# Altium PCB KeyBoard.PcbDoc
Units mm, origin at the board's own origin, x right, y up, seen from the top; angles counter-clockwise.
Board outline 62 x 96.32 mm, 2 copper layers (Top Layer, Bottom Layer), stack 1.569 mm thick; 71 components, 76 nets, 333 pads, 242 vias.
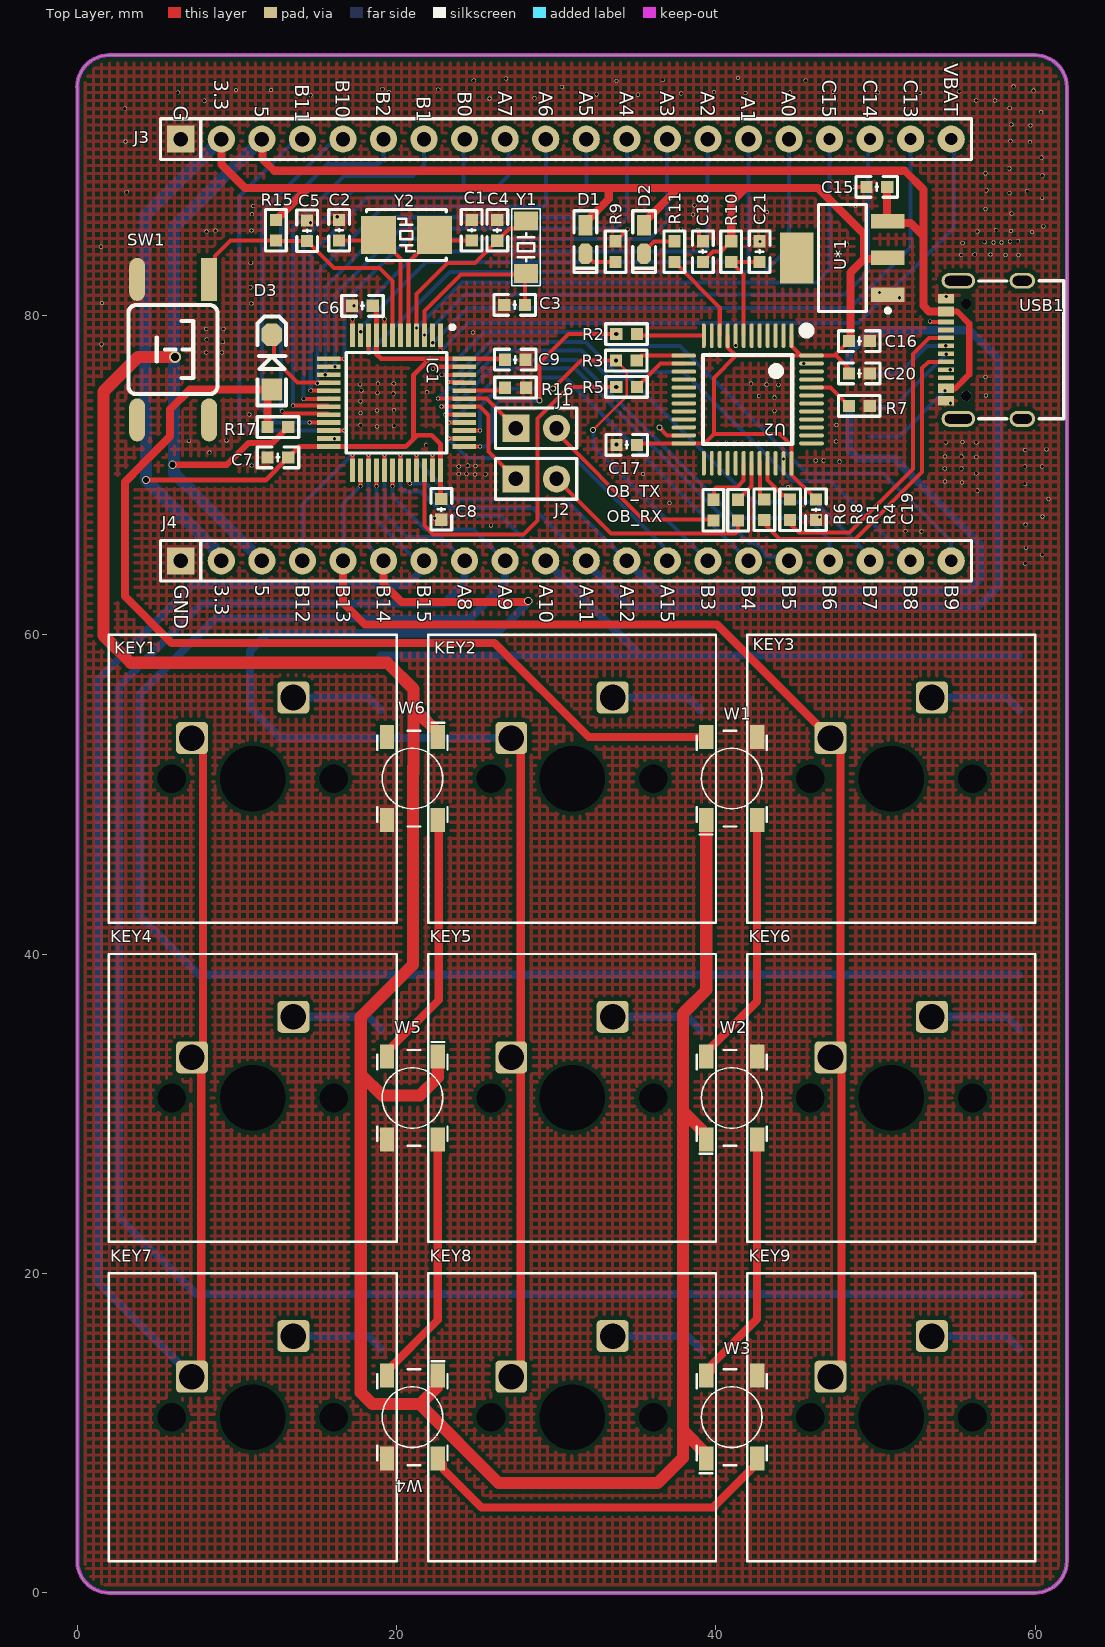
[diagram p0: Top Layer view]
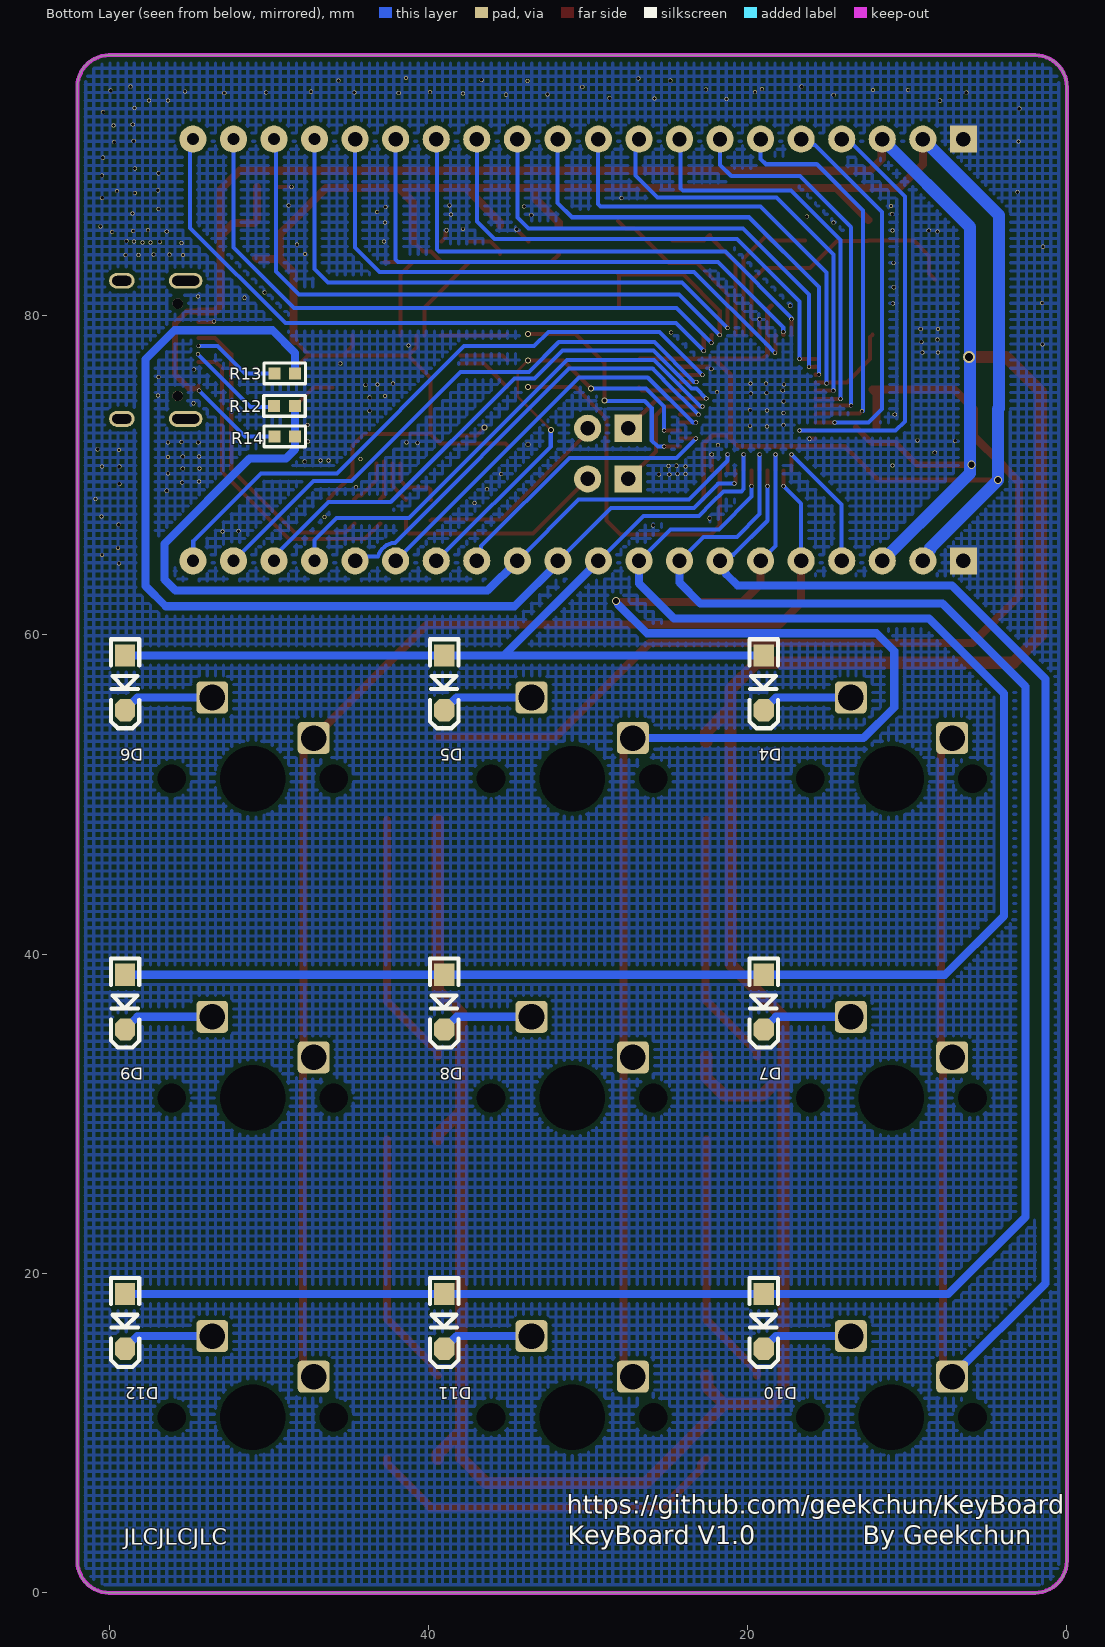
[diagram p1: Bottom Layer view, seen from below]

## Layer stack, top to bottom
Top Solder: solder mask 0.0254, SM-001, Dk 4
Top Layer: signal copper 0.035
Dielectric 1: core 1.4986, Core-043, Dk 4.3
Bottom Layer: signal copper 0.035
Bottom Solder: solder mask 0.0254, SM-001, Dk 4

## Board outline
0.001,2 0.001,94.317 0,94.317 cw(c2,94.317) 2,96.317 60,96.317 cw(c60,94.317) 62,94.317 62,2 cw(c60,2) 60,0 2,0 cw(c2,2)

## Design rules (kind name [scope] priority, off if disabled: settings)
Clearance [All] p1: gap=0.254 ignorepadtopadclearanceinfootprint=TRUE except(0.152: Arc-Arc Arc-Track Arc-SMDPad Arc-THPad Arc-Via Arc-Text Arc-Hole Track-Track Track-SMDPad Track-THPad Track-Via Track-Text Track-Hole SMDPad-SMDPad SMDPad-THPad SMDPad-Via SMDPad-Text SMDPad-Hole THPad-THPad THPad-Via THPad-Text THPad-Hole Via-Via Via-Text Via-Hole Text-Text Text-Hole)
PolygonConnect [All] p1: connectstyle=Direct reliefconductorwidth=0.254 reliefentries=4 polygonreliefangle="90 Angle" airgapwidth=0.254
RoutingVias [All] p1: holewidth=0.203 width=0.254 viastyle="Through Hole" minholewidth=0.152 minwidth=0.254 maxholewidth=0.711 maxwidth=1.27
SolderMaskExpansion [All] p1: expansion=0.102 istentingtop=FALSE
Width [All] p1: maxlimit=1.27 minlimit=0.152 preferedwidth=0.254 minimp=50.000000 maximp=50.000000 favimp=50.000000
30 further rules are at their usual default settings.

## Classes and differential pairs
component class STM32F103C8T6: C1 C2 C3 C4 C5 C6 C7 C8 C9 IC1 J3 J4 R15 R16 SW1 Y1 Y2
component class Key&Led: D3 D4 D5 D6 D7 D8 D9 D10 D11 D12 KEY1 KEY2 KEY3 KEY4 KEY5 KEY6 KEY7 KEY8 KEY9 R17 W1 W2 W3 W4 W5 W6
component class "Jlink OB": C15 C16 C17 C18 C19 C20 C21 D1 D2 J1 J2 R1 R2 R3 R4 R5 R6 R7 R8 R9 R10 R11 R12 R13 R14 U2 U*1 USB1

## Components (designator, comment, footprint, x,y, rotation, side; value= is the part's Value field where it differs from the comment)
C1 "12pF" "C 0603_L" 24.714,85.35 r90 top value=1.2pF
C2 "12pF" "C 0603_L" 16.408,85.35 r90 top value=1.2pF
C3 "12pF" "C 0603_L" 27.407,80.67 r180 top value=1.2pF
C4 "12pF" "C 0603_L" 26.314,85.344 r90 top value=1.2pF
C5 "105" "C 0603_L" 14.402,85.319 r270 top value=1.2pF
C6 "104" "C 0603_L" 17.867,80.62 r0 top value=1.2pF
C7 "104" "C 0603_L" 12.573,71.12 r0 top value=1.2pF
C8 "104" "C 0603_L" 22.809,67.869 r90 top value=1.2pF
C9 "104" "C 0603_L" 27.442,77.241 r180 top value=1.2pF
C15 "0.1uf" "C 0603_L" 50.089,88.062 r0 top value=1.2pF
C16 "1uf" "C 0603_L" 48.997,78.41 r180 top value=1.2pF
C17 "0.1uf" "C 0603_L" 34.427,71.907 r0 top value=1.2pF
C18 "0.1uf" "C 0603_L" 39.192,84.008 r270 top value=1.2pF
C19 "0.1uf" "C 0603_L" 46.279,67.843 r90 top value=1.2pF
C20 "0.1uf" "C 0603_L" 48.997,76.378 r180 top value=1.2pF
C21 "0.1uf" "C 0603_L" 42.748,84.008 r270 top value=1.2pF
D1 "LED_0603" "LED 0603B" 31.826,84.766 r270 top
D2 "LED_0603" "LED 0603B" 35.503,84.766 r270 top
D3 "1n4148" SOD-123 12.192,77.089 r90 top
D4 "1n4148" SOD-123 19,57 r270 bottom
D5 "1n4148" SOD-123 39,57 r270 bottom
D6 "1n4148" SOD-123 59,57 r270 bottom
D7 "1n4148" SOD-123 19,37 r270 bottom
D8 "1n4148" SOD-123 39,37 r270 bottom
D9 "1n4148" SOD-123 59,37 r270 bottom
D10 "1n4148" SOD-123 19,17 r270 bottom
D11 "1n4148" SOD-123 39,17 r270 bottom
D12 "1n4148" SOD-123 59,17 r270 bottom
IC1 "STM32F103C8T6" QFP50P900X900X160-48N 20,74.549 r270 top
J1 "USART JUMPER" HDR2.54-LI-2P 28.753,72.949 r0 top
J2 "USART JUMPER" HDR2.54-LI-2P 28.753,69.774 r0 top
J3 "CON20" HDR2.54-LI-20P 30.619,91.059 r0 top
J4 "CON20" HDR2.54-LI-20P 30.619,64.643 r0 top
KEY1 "CHERRY_MX" CHERRYMX 11,51 r0 top
KEY2 "CHERRY_MX" CHERRYMX 31,51 r0 top
KEY3 "CHERRY_MX" CHERRYMX 51,51 r0 top
KEY4 "CHERRY_MX" CHERRYMX 11,31 r0 top
KEY5 "CHERRY_MX" CHERRYMX 31,31 r0 top
KEY6 "CHERRY_MX" CHERRYMX 51,31 r0 top
KEY7 "CHERRY_MX" CHERRYMX 11,11 r0 top
KEY8 "CHERRY_MX" CHERRYMX 31,11 r0 top
KEY9 "CHERRY_MX" CHERRYMX 51,11 r0 top
R1 "22R" "R 0603_L" 43.04,67.843 r90 top
R2 "100R" "R 0603_L" 34.417,78.842 r0 top
R3 "100R" "R 0603_L" 34.402,77.191 r0 top
R4 "22R" "R 0603_L" 44.66,67.843 r90 top
R5 "100R" "R 0603_L" 34.417,75.54 r0 top
R6 "100R" "R 0603_L" 39.853,67.818 r90 top
R7 "10K" "R 0603_L" 48.997,74.346 r0 top
R8 "100R" "R 0603_L" 41.402,67.818 r90 top
R9 "1K" "R 0603_L" 33.731,84.008 r270 top
R10 "10K" "R 0603_L" 40.97,84.008 r90 top
R11 "1K" "R 0603_L" 37.414,84.008 r90 top
R12 "22R" "R 0603_L" 49.012,74.346 r0 bottom
R13 "22R" "R 0603_L" 48.997,76.378 r0 bottom
R14 "22R" "R 0603_L" 48.997,72.441 r0 bottom
R15 "10K" "R 0603_L" 12.446,85.35 r90 top
R16 "100K" "R 0603_L" 27.457,75.489 r0 top
R17 "10K" "R 0603_L" 12.573,73.025 r180 top
SW1 "Reset" "TSW SMD-6*6*5" 6,77.876 r270 top value="PB SW"
U2 "STM32F072CxT" "LQFP48 7X7_L" 42,74.75 r180 top value=Value
U*1 "ASM1117-3.3V" SOT223_L 47.93,83.617 r180 top
USB1 "Type-C" "usb typec" 58,77.876 r0 top
W1 "WS2812b" DIOC500500X250_NR 41,51 r90 top
W2 "WS2812b" DIOC500500X250_NR 41,31 r90 top
W3 "WS2812b" DIOC500500X250_NR 41,11 r90 top
W4 "WS2812b" DIOC500500X250_NR 21,11 r270 top
W5 "WS2812b" DIOC500500X250_NR 21,31 r270 top
W6 "WS2812b" DIOC500500X250_NR 21,51 r270 top
Y1 "32.768khz" "OSC 3215-2P" 28.118,84.288 r270 top
Y2 "8mhz" "OSC 5032-2P" 20.625,85.05 r0 top

## Footprints (in the part's own frame and the unit in brackets; to place one, negate y for a bottom-side part, rotate by r counter-clockwise, add the part's x,y. Pads: shape width x height; smd on the part's side, far side on the other; paste and mask are expansions set on the pad)
"C 0603_L" [mil] "无极性贴片电容"
  rect 30x30 smd: 1(-25.59,0) 2(25.59,0)
  silkscreen extent -51,-26 51,26, body extent -31,-16 31,16, height 32
CHERRYMX [mm]
  rrect25% 0x0 hole 1.8: 0(-5.08,0) 0(5.08,0)
  rrect25% 0x0 hole 4.1: 0(0,0)
  rrect25% 2x2 hole 1.6: 1(-3.81,2.54) 2(2.54,5.08)
  silkscreen extent -9.02,-9.02 9.02,9.02, body extent -9,-8.98 9,9.02, height 23.25
DIOC500500X250_NR [mm] "WS2812B PLCC 4, Body 5.0x5.0x.2.5mm, IPC Medium Density"
  rect 1.5x0.9 smd: 1(-2.6,1.59) 2(-2.6,-1.59) 3(2.6,-1.59) 4(2.6,1.59)
  silkscreen extent -3.5,-2.2 3,2.2, body extent -2.67,-2.48 2.68,2.47, height 1.7
HDR2.54-LI-2P [mm] "排针，2脚"
  rect 1.7x1.7 hole 0.9: 1(-1.27,0)
  round 1.7 hole 0.9: 2(1.27,0)
  silkscreen extent -2.54,-1.27 2.54,1.27, body extent -2.54,-1.27 2.54,1.27, height 8.5
HDR2.54-LI-20P [mm] "排针，20脚"
  rect 1.7x1.7 hole 0.9: 1(-24.13,0)
  round 1.7 hole 0.9: 2(-21.59,0) 3(-19.05,0) 4(-16.51,0) 5(-13.97,0) 6(-11.43,0) 7(-8.89,0) 8(-6.35,0) 9(-3.81,0) 10(-1.27,0) 11(1.27,0) 12(3.81,0) 13(6.35,0) 14(8.89,0) 15(11.43,0) 16(13.97,0)
  round 1.7 hole 0.762: 17(16.51,0) 18(19.05,0) 19(21.59,0) 20(24.13,0)
  silkscreen extent -25.4,-1.27 25.4,1.27, body extent -25.4,-1.27 25.4,1.27, height 8.5
"LED 0603B" [mil] "蓝色0603LED"
  rect 50x35 smd: 1(-35,0.26)
  oct 50x35 smd: 2(35,0.26)
  silkscreen extent -71,-28 81,28, body extent -31,-16 32,16, height 24
"LQFP48 7X7_L" [mm] "48脚，体宽7x7mm，脚距0.5mm"
  oval 0.25x1.55 smd: 1(-2.75,-4) 2(-2.25,-4) 3(-1.75,-4) 4(-1.25,-4) 5(-0.75,-4) 6(-0.25,-4) 7(0.25,-4) 8(0.75,-4) 9(1.25,-4) 10(1.75,-4) 11(2.25,-4) 12(2.75,-4) 25(2.75,4) 26(2.25,4) 27(1.75,4) 28(1.25,4) 29(0.75,4) 30(0.25,4) 31(-0.25,4) 32(-0.75,4) 33(-1.25,4) 34(-1.75,4) 35(-2.25,4) 36(-2.75,4)
  oval 1.55x0.25 smd: 13(4,-2.75) 14(4,-2.25) 15(4,-1.75) 16(4,-1.25) 17(4,-0.75) 18(4,-0.25) 19(4,0.25) 20(4,0.75) 21(4,1.25) 22(4,1.75) 23(4,2.25) 24(4,2.75) 37(-4,2.75) 38(-4,2.25) 39(-4,1.75) 40(-4,1.25) 41(-4,0.75) 42(-4,0.25) 43(-4,-0.25) 44(-4,-0.75) 45(-4,-1.25) 46(-4,-1.75) 47(-4,-2.25) 48(-4,-2.75)
  silkscreen extent -3.93,-4.57 2.79,2.79, body extent -4.5,-4.5 4.5,4.5, height 1.45
"OSC 3215-2P" [mm] "3.2*1.5*0.6mm(长宽高)"
  rect 1.2x1.5 smd: 1(-1.65,0) 2(1.65,0)
  silkscreen extent -2.41,-0.89 2.41,0.89, body extent -1.6,-0.75 1.6,0.75, height 0.61
"OSC 5032-2P" [mm] "5mm*3.2mm*0.8mm(长*宽*高)"
  rect 2.2x2.4 smd: 1(-1.75,0) 2(1.75,0)
  silkscreen extent -2.5,-1.6 2.5,1.6, body extent -2.5,-1.6 2.5,1.6, height 0.86
QFP50P900X900X160-48N [mm]
  rect 1.475x0.3 smd: 1(-4.238,2.75) 2(-4.238,2.25) 3(-4.238,1.75) 4(-4.238,1.25) 5(-4.238,0.75) 6(-4.238,0.25) 7(-4.238,-0.25) 8(-4.238,-0.75) 9(-4.238,-1.25) 10(-4.238,-1.75) 11(-4.238,-2.25) 12(-4.238,-2.75) 25(4.238,-2.75) 26(4.238,-2.25) 27(4.238,-1.75) 28(4.238,-1.25) 29(4.238,-0.75) 30(4.238,-0.25) 31(4.238,0.25) 32(4.238,0.75) 33(4.238,1.25) 34(4.238,1.75) 35(4.238,2.25) 36(4.238,2.75)
  rect 0.3x1.475 smd: 13(-2.75,-4.238) 14(-2.25,-4.238) 15(-1.75,-4.238) 16(-1.25,-4.238) 17(-0.75,-4.238) 18(-0.25,-4.238) 19(0.25,-4.238) 20(0.75,-4.238) 21(1.25,-4.238) 22(1.75,-4.238) 23(2.25,-4.238) 24(2.75,-4.238) 37(2.75,4.238) 38(2.25,4.238) 39(1.75,4.238) 40(1.25,4.238) 41(0.75,4.238) 42(0.25,4.238) 43(-0.25,4.238) 44(-0.75,4.238) 45(-1.25,4.238) 46(-1.75,4.238) 47(-2.25,4.238) 48(-2.75,4.238)
  silkscreen extent -4.85,-3.15 3.15,3.62, body extent -4.5,-4.5 4.5,4.5, height 1.6
"R 0603_L" [mil] "1/10W贴片电阻"
  rect 30x30 smd: 1(-25.59,0) 2(25.59,0)
  silkscreen extent -51,-26 51,26, body extent -31,-16 32,16, height 16
SOD-123 [mil] "2.7x1.6X1.1mm（长宽高，不包括引脚）"
  rect 55x50 smd: 1(-67.5,0)
  oct 55x50 smd: 2(67.5,0)
  silkscreen extent -108,-35 112,35, body extent -73,-31 73,31, height 48
SOT223_L [mm] "SOT223, 4-Leads, Body 6.5x3.5mm, Pitch 2.3mm, Lead Span 7mm, IPC High Density"
  rect 2.1x0.9 smd: 1(-2.85,2.3) 2(-2.85,0) 3(-2.85,-2.3)
  rect 2.1x3.2 smd: 4(2.85,0)
  silkscreen extent -2.98,-3.35 1.5,3.42, body extent -1.85,-3.35 1.85,3.35, height 1.7
"TSW SMD-6*6*5" [mm] "6*6*5mm"
  rect 2.7x1 smd: 1(-4.4,2.261)
  oval 2.7x1 smd: 2(-4.4,-2.239) 3(4.4,-2.239) 4(4.4,2.261)
  silkscreen extent -2.79,-2.79 2.79,2.79, body extent -4.5,-3 4.5,3, height 4.95
"usb typec" [mm]
  round 0.65 hole 0.65: 0(-2.299,-2.905) 0(-2.299,2.875)
  oval 1.6x1 hole 0.6 slot 1.2 at 0 deg: 1(1.201,4.31) 2(1.201,-4.34)
  oval 2.1x1 hole 0.6 slot 1.7 at 0 deg: 3(-2.799,-4.34) 4(-2.799,4.31)
  rect 1x0.3 smd: A1(-3.589,-3.365) A4(-3.589,-2.565) A5(-3.589,-1.265) A6(-3.589,-0.265) A7(-3.589,0.235) A8(-3.589,1.235) A9(-3.589,2.535) A12(-3.589,3.335) B1(-3.589,3.035) B4(-3.589,2.235) B5(-3.589,1.735) B6(-3.589,0.735) B7(-3.589,-0.765) B8(-3.589,-1.765) B9(-3.589,-2.265) B12(-3.589,-3.065)
  silkscreen extent -1.54,-4.34 3.8,4.31

## Part data
C1 C2 C3 C4 C5 C6 C7 C8 C9 C15 C16 C17 C18 C19 C20 C21: "Capacitor, NP0, ?.1pF", Part Number=C0402-1.2p, Artikkelnr Noca=20029157, Artikkelnr Simpro=N.A., Footprint Doc=0402, LatestRevisionDate=2011-05-11, Note=50V, Pin Count=2, Published=2009-05-08, Publisher="Nordic Semiconductor"
D1 D2: "LED"
D3 D4 D5 D6 D7 D8 D9 D10 D11 D12: library part ZENER3, "Zener Diode"
IC1: "Integrated Circuit", Manufacturer_Name=STMicroelectronics, Mouser Part Number=511-STM32F103C8T6, Arrow Part Number=STM32F103C8T6, Arrow Price/Stock=https://www.arrow.com/en/products/stm32f103c8t6/stmicroelectronics, Datasheet Link=http://www.st.com/st-web-ui/static/active/en/resource/technical/document/datasheet/CD00161566.pdf, Height=1.6mm, Manufacturer_Part_Number=STM32F103C8T6, Mouser Price/Stock=https://www.mouser.co.uk/ProductDetail/STMicroelectronics/STM32F103C8T6?qs=bhCVus9SdFtq6kqxsU5%2FDA%3D%3D
J1 J2: library part CON2, "Connector"
J3 J4: "Connector"
R1 R2 R3 R4 R5 R6 R7 R8 R9 R10 R11 R12 R13 R14 R15 R16 R17: library part RES
SW1: "Tactile Switch, SPNO, SMD, 160gf, 6.2x6.3x2.5mm", 2nd source part number=688-SKHUALE010, Manufacturer=Dailywell, Manufacturer Part Number=TS604VM1-025BR-R, Part Number=Switch-PB-6.2x6.3mm-SMD, 2nd source Supplier=Mouser, Artikkelnr Noca=50019106, Artikkelnr Simpro=N.A., Datasheet=\\hizz\pro\app9717\Datasheet\switches\Daliywell\TS604VM1-025BR-R.pdf, Footprint Doc=Switch-PB-6.2x6.3mm-SMD, LatestRevisionDate=2016-04-21, Pin Count=4, Published=2010-02-01, Publisher="Nordic Semiconductor", Supplier=Cabcon, Supplier part number=TS604VM1-025BR-R
U2: "Imported", Manufacturer_Part_Number=stm32f072cxt, C="Copyright (C) 2016 Accelerated Designs. All rights reserved", Copyright="Copyright (C) 2016 Accelerated Designs. All rights reserved", RefDes=RefDes, Type=Type, Vendor=STMicroelectronics
U*1: "三端可调或固定电压3.3V"
W1 W2 W3 W4 W5 W6: library part WS2812b_Sumasta, "The Infamous Chinese Chainable RGB LED"
Y1 Y2: library part XTAL, XTAL=12MHZ

## Via types
v1: diameter 0.254, hole 0.203, Top Layer to Bottom Layer, 230 vias
v2: diameter 0.381, hole 0.254, Top Layer to Bottom Layer, 7 vias
v3: diameter 0.508, hole 0.381, Top Layer to Bottom Layer, 3 vias
v4: diameter 0.305, hole 0.254, Top Layer to Bottom Layer, 1 vias
v5: diameter 0.762, hole 0.508, Top Layer to Bottom Layer, 1 vias

## Nets (pads, with @x,y where several pads share a name; then routed paths per layer and width w, separated by ;. In a path a pad name is that pad's centre, name@x,y a point inside that pad or via, vN(x,y) a via of type N, cw(c..) or ccw(c..) an arc to the next point about the centre after c; other vN are vias at no path point)
3.3V: C6.2 C7.2 C8.2 C9.2 C16.2 C17.2 C18.2 C19.2 C20.2 D1.1 D2.1 IC1.9 IC1.24 IC1.36 IC1.48 J3.2 J4.2 R10.2 R15.2 U2.1 U2.9 U2.24 U2.36 U2.48 U*1.2 | length 169.6
  Top Layer w0.254: C17.2 35.17,72 U2.24 38.002,71.998 39.283,71.998 39.878,72.593 ; C18.2 39.842,84.008 40.32,84.008 R10.2 ; U2.9 40.752,78.747 40.752,78.018 41.274,77.496 ; U2.1 44.75,78.103 45.352,77.502 U2.48@45.354,77.5 ; C19.2 46.025,68.747 46.025,68.758 44.752,70.031 44.752,70.748 U2.36 44.75,71.861 44.018,72.593 39.878,72.593 ; C20.2@48.11,76.614 C20.2 ; C16.2 48.093,78.156 47.437,77.5 ; C20.2@48.45,76.594 47.544,77.5 47.437,77.5 ; 39.878,72.593 39.878,76.1 41.274,77.496 ; 41.274,77.496 41.278,77.5 U2.48@45.354,77.5 ; U2.48@45.354,77.5 U2.48 47.437,77.5
  Top Layer w0.305: v3(4.31,69.7) 11.803,69.7 C7.2 13.902,71.799 IC1.24 20.584,71.799 21.077,72.292 ; C6.2 18.75,80.386 IC1.9 18.75,77.592 19.043,77.299 22.09,77.299 ; 22.102,77.311 22.09,77.299 ; C8.2 22.75,68.578 IC1.36 22.748,70.313 22.748,71.969 22.205,72.512 21.297,72.512 21.077,72.292 ; C9.2 26.735,77.299 IC1.48 22.09,77.299 ; 21.077,72.292 21.077,76.286 22.09,77.299
  Top Layer w0.508: J3.2 9.029,89.472 10.516,87.986 14.432,87.986 ; R15.2 14.417,87.971 14.432,87.986 ; D1.1 31.833,85.845 33.299,87.312 33.299,87.986 ; D2.1 35.509,85.845 37.65,87.986 ; R10.2 40.97,87.097 41.859,87.986 ; C16.2 48.44,78.503 48.44,82.705 49.285,83.55 ; U*1.2 50.713,83.55 49.285,83.55 ; 14.432,87.986 33.299,87.986 ; 33.299,87.986 37.65,87.986 ; 37.65,87.986 41.859,87.986 ; 41.859,87.986 46.406,87.986 49.285,85.106 49.285,83.55
  Bottom Layer w0.762: J4.2 9.029,64.897 8.56,65.366 8.56,65.451 v3(4.31,69.7) 4.31,74.15 4.257,74.204 4.257,86.287 J3.2
5V: C15.2 J3.3 J4.3 R14.2 R17.1 U*1.3 USB1.A4 USB1.A9 USB1.B4 USB1.B9 W1.1 W2.1 W3.1 W4.1 W5.1 W6.1 | length 277.1
  Top Layer w0.254: U*1.3@50.739,85.958 U*1.3 U*1.3@50.895,85.801 ; USB1.A4 USB1.A4@54.411,75.438 ; USB1.B9 USB1.A4@54.411,75.438 ; USB1.B4 54.411,80.261 ; USB1.A4@54.686,75.438 USB1.A4@54.411,75.438
  Top Layer w0.381: v3(5.979,70.66) 9.368,70.66 10.726,72.019 12.217,72.019 R17.1 ; 54.561,80.261 55.121,80.261 55.88,79.502 55.88,76.327 54.991,75.438 USB1.A4@54.686,75.438
  Top Layer w0.508: J3.3 11.598,91.03 11.598,89.824 12.344,89.078 51.841,89.078 53.01,87.909 53.01,84.988 ; U*1.3@50.739,85.958 C15.2 ; U*1.3@50.895,85.801 52.197,85.801 53.01,84.988 ; 54.411,80.261 53.369,80.261 53.01,80.62 53.01,84.988
  Top Layer w0.762: v5(6.132,77.414) 3.807,77.414 1.643,75.25 1.643,59.972 3.36,58.255 19.431,58.255 21.069,56.617 21.069,55.197 ; 21.036,51.746 21.036,39.337 17.765,36.065 17.765,32.487 ; 21.069,51.366 21.069,55.197 ; W4.1 22.521,13.531 22.521,12.859 21.468,11.806 ; W5.1 22.59,32.27 21.466,31.145 19.106,31.145 17.765,32.487 ; W6.1@22.59,53.3 W6.1 22.59,53.9 21.293,55.197 21.069,55.197 ; W3.1 39.41,8.7 37.943,10.167 ; W2.1 39.41,28.7 37.943,30.167 ; W1.1 39.41,37.749 37.943,36.281 37.943,30.167 ; 17.765,32.487 17.765,12.545 18.486,11.824 21.45,11.824 21.468,11.806 ; 21.468,11.806 26.406,6.868 36.358,6.868 37.943,8.453 37.943,10.167 ; 37.943,10.167 37.943,30.167
  Bottom Layer w0.254: R14.2 51.497,72.441 v1(54.359,75.303)
  Bottom Layer w0.762: J4.3 7.048,69.164 7.038,69.164 6.073,70.129 6.073,85.557 11.569,91.053 J3.3
BOOT0: IC1.44 R16.1 | length 2.6
  Top Layer w0.254: IC1.44 26.618,75.299 R16.1
GND: C1.2 C2.2 C3.2 C4.2 C5.1 C6.1 C7.1 C8.1 C9.1 C15.1 C16.1 C17.1 C18.1 C19.1 C20.1 C21.1 IC1.8 IC1.23 IC1.35 IC1.47 J3.1 J4.1 R7.2 R9.1 R16.2 SW1.2 U2.8 U2.23 U2.35 U2.47 U*1.1 USB1.A1 USB1.A5 USB1.A12 USB1.B1 USB1.B5 USB1.B12 W1.3 W2.3 W3.3 W4.3 W5.3 W6.3 | length 9.9
  Top Layer w0.254: IC1.23 15.77,72.291 v1(16.12,72.291) ; IC1.8 v1(19.25,79.778) ; IC1.35 v1(22.25,71.302) ; v1(22.281,76.671) 22.409,76.799 IC1.47 IC1.47@24.221,76.782 ; R9.1 34.47,85.398 v1(34.47,85.407) ; v2(36.474,72.984) 36.957,72.502 37.998,72.502 U2.23 ; v1(38.872,85.349) 38.938,85.283 38.938,84.912 C18.1 ; v1(48.572,88.069) 49.431,88.069 C15.1 ; v1(53.424,79.647) 53.46,79.611 USB1.B5
  other v1: 59.381,64.484 60.45,65.018 59.437,65.457 52.901,66.476 51.89,66.501 25.916,66.864 59.399,66.91 22.381,67.309 46.505,67.38 60.471,67.425 37.107,68.269 60.852,68.513 56.389,69.031 36.335,69.133 44.534,69.257 59.361,69.468 55.421,69.549 54.362,69.605 24.912,70.046 25.565,70.061 23.901,70.076 35.441,70.085 24.39,70.095 56.317,70.126 55.385,70.413 54.344,70.431 59.361,70.54 23.901,70.551 60.45,70.557 24.468,70.597 24.958,70.582 10.93,70.613 47.75,70.855 46.264,70.926 46.759,70.926 44.252,71.017 56.317,71.147 54.362,71.182 55.385,71.165 8.281,71.416 59.381,71.589 60.717,71.627 21.862,71.886 40.681,72.036 41.377,72.066 54.415,72.064 56.317,72.064 55.456,72.082 47.544,72.112 7.001,72.158 9.36,72.191 18.781,73.057 19.858,73.098 17.76,73.141 47.567,73.151 10.785,73.804 17.745,73.91 18.781,74.053 43.678,74.04 19.841,74.078 54.707,74.515 17.745,74.637 43.678,74.863 42.718,74.964 56.935,75 19.802,75.112 18.809,75.168 21.913,75.208 17.801,75.323 43.93,75.668 17.717,75.698 43.191,75.686 18.85,75.742 19.83,75.754 42.215,75.737 56.894,76.158 54.692,76.618 45.515,77.009 8.08,77.687 9.058,77.687 41.253,78.137 1.525,78.205 9.124,78.36 8.113,78.498 24.788,78.95 8.08,79.171 9.157,79.171 17.335,80.622 10.909,80.757 1.55,80.794 51.512,81.121 54.437,81.199 50.257,81.452 10.848,81.78 10.871,83.312 55.375,83.806 58.154,83.806 58.962,83.806 56.223,83.819 57.209,83.832 47.732,83.867 1.499,84.317 48.225,84.444 55.472,84.558 57.399,84.586 57.907,84.586 56.825,84.627 58.441,84.639 42.774,84.647 58.921,84.667 59.81,85.236 8.101,85.259 56.389,85.269 8.657,85.325 58.494,85.31 10.925,85.331 57.565,85.353 37.829,85.437 60.539,85.594 14.618,85.825 42.716,85.841 16.292,86.199 33.558,86.297 38.583,86.333 10.95,86.357 58.538,86.397 43.209,86.486 56.892,86.676 42.698,86.808 33.998,86.841 11.027,86.874 48.753,86.895 38.672,86.913 27.892,87.365 60.435,87.38 58.388,87.687 3.104,87.738 59.511,87.799 56.948,87.855 60.455,88.769 56.892,88.922 58.388,89.221 60.394,89.892 59.681,90.87 3.028,90.905 58.456,90.931 59.721,91.911 58.517,91.972 60.374,92.749 2.985,92.968 58.416,93.013 7.963,93.461 56.313,93.483 57.496,93.483 21.333,93.568 25.835,93.595 28.647,93.623 14.608,93.809 35.131,93.837 32.533,93.862 37.836,93.918 41.855,93.943 52.787,93.943 6.302,93.97 44.641,93.971 50.16,93.971 19.538,93.997 39.899,93.997 47.349,94.025 55.251,94.055 59.904,94.095 9.947,94.131 12.142,94.131 22.619,94.157 19.109,94.185 30.361,94.319 16.617,94.345 58.66,94.342 33.791,94.694 24.842,94.721 45.634,94.721 36.686,94.774 26.851,94.855 41.4,94.881
  other v4: 33.771,71.936
LED: R11.1 U2.10 | length 5.8
  Top Layer w0.254: R11.1 40.25,80.523 U2.10
NetD1_2: D1.2 R9.2 | length 2.1
  Top Layer w0.254: D1.2 31.833,83.834 32.308,83.358 R9.2
NetD2_2: D2.2 R11.2 | length 2.3
  Top Layer w0.254: D2.2 35.509,84.044 36.124,84.658 R11.2
NetD3_1: D3.1 R17.2 W1.4 | length 62.3
  Top Layer w0.508: 4.054,70.668 5.819,72.433 5.819,74.135 7.059,75.374 D3.1 11.923,75.106 R17.2 ; 4.063,70.659 2.995,69.591 2.995,62.42 5.911,59.505 26.142,59.505 32.046,53.6 W1.4
NetD4_2: D4.2 KEY1.2 | length 5.8
  Bottom Layer w0.508: KEY1.2 18.24,56.08 19,55.32 D4.2
NetD5_2: D5.2 KEY2.2 | length 5.8
  Bottom Layer w0.508: KEY2.2 38.24,56.08 39,55.32 D5.2
NetD6_2: D6.2 KEY3.2 | length 5.8
  Bottom Layer w0.508: KEY3.2 58.24,56.08 59,55.32 D6.2
NetD7_2: D7.2 KEY4.2 | length 5.8
  Bottom Layer w0.508: KEY4.2 18.24,36.08 19,35.32 D7.2
NetD8_2: D8.2 KEY5.2 | length 5.8
  Bottom Layer w0.508: KEY5.2 38.24,36.08 39,35.32 D8.2
NetD9_2: D9.2 KEY6.2 | length 5.8
  Bottom Layer w0.508: KEY6.2 58.24,36.08 59,35.32 D9.2
NetD10_2: D10.2 KEY7.2 | length 5.8
  Bottom Layer w0.508: KEY7.2 18.24,16.08 19,15.32 D10.2
NetD11_2: D11.2 KEY8.2 | length 5.8
  Bottom Layer w0.508: KEY8.2 38.24,16.08 39,15.32 D11.2
NetD12_2: D12.2 KEY9.2 | length 5.8
  Bottom Layer w0.508: KEY9.2 58.24,16.08 59,15.32 D12.2
NetR1_1: R1.1 USB1.B7 | length 20.2
  Top Layer w0.254: R1.1@43.015,66.99 43.991,66.015 48.743,66.015 52.934,70.206 52.934,76.708 53.336,77.111 USB1.B7
NetR2_2: R2.2 U2.12 | length 4.2
  Top Layer w0.254: R2.2 35.159,78.749 U2.12
NetR3_2: R3.2 U2.13 | length 3.1
  Top Layer w0.254: R3.2 35.306,77.444 35.361,77.5 U2.13
NetR4_1: R4.1 USB1.B6 | length 19.3
  Top Layer w0.254: R4.1@44.634,66.99 45.203,66.421 48.387,66.421 52.349,70.383 52.349,77.597 53.363,78.611 USB1.B6
NetR5_2: R5.2 U2.14 | length 3.5
  Top Layer w0.254: R5.2 35.905,76.378 36.527,77 U2.14
NetR6_2: R6.2 U2.30 | length 3.8
  Top Layer w0.254: R6.2 39.878,68.493 39.878,69.093 40.027,69.242 41.328,69.242 41.75,69.665 U2.30
NetR7_1: R7.1 U2.44 | length 2.8
  Top Layer w0.254: U2.44 47.192,75.5 R7.1
NetR8_2: R8.2 U2.31 | length 2.6
  Top Layer w0.254: R8.2 42.25,69.316 U2.31
NetR12_2: R12.2 USB1.A6 | length 6.2
  Bottom Layer w0.254: R12.2 49.738,74.27 51.13,74.27 54.437,77.576 v1(54.437,77.585)
NetR13_2: R13.2 USB1.A7 | length 5.5
  Bottom Layer w0.254: R13.2 51.486,76.378 53.219,78.111 v1(54.411,78.111)
OB_RX: J2.2 R8.1 | length 13.5
  Top Layer w0.254: J2.2 33.452,66.345 41.224,66.345 41.402,66.523 R8.1
OB_TX: J1.2 R6.1 | length 12.4
  Top Layer w0.254: J1.2 30.023,72.669 35.458,67.234 39.787,67.234 R6.1
OSC_IN: C1.1 IC1.5 Y2.2 | length 9.4
  Top Layer w0.254: IC1.5 20.75,83.361 21.109,83.72 21.145,83.72 22.375,84.95 Y2.2 22.725,84.7 C1.1
OSC_OUT: C2.1 IC1.6 Y2.1 | length 9.4
  Top Layer w0.254: C2.1 18.525,84.7 Y2.1 18.875,84.95 20.25,83.574 IC1.6
PA0: IC1.10 J3.16 | length 37
  Top Layer w0.254: IC1.10 18.25,77.714 v1(18.291,77.673)
  Bottom Layer w0.254: v1(18.291,77.673) 18.89,78.273 23.348,82.73 43.056,82.73 44.589,84.264 J3.16
PA1: IC1.11 J3.15 | length 34.1
  Top Layer w0.254: IC1.11 17.77,78.807 v1(17.77,78.986)
  Bottom Layer w0.254: v1(17.77,78.986) 17.77,79.271 21.859,83.36 41.9,83.36 42.049,83.509 J3.15
PA2: IC1.12 J3.14 | length 32
  Top Layer w0.254: IC1.12 v1(17.25,79.778)
  Bottom Layer w0.254: v1(17.25,79.778) 17.25,79.866 21.392,84.008 39.323,84.008 39.472,84.157 39.472,91.022 J3.14
PA3: IC1.13 J3.13 | length 32
  Top Layer w0.254: IC1.13 v1(16.747,77.299)
  Bottom Layer w0.254: v1(16.747,77.299) 16.747,80.874 20.668,84.795 35.855,84.795 36.952,85.893 36.952,91.042 J3.13
PA4: IC1.14 J3.12 | length 30.1
  Top Layer w0.254: IC1.14 15.767,76.794 v1(16.151,76.794)
  Bottom Layer w0.254: v1(16.151,76.794) 16.151,80.951 ; 16.152,80.952 16.152,81.318 20.29,85.456 33.731,85.456 34.429,86.154 J3.12
PA5: IC1.15 J3.11 | length 28.3
  Top Layer w0.254: v1(15.545,76.302) 15.759,76.302 IC1.15
  Bottom Layer w0.254: v1(15.545,76.302) 15.545,81.801 19.909,86.164 31.016,86.164 31.899,87.047 31.899,91.049 J3.11
PA6: D3.2 IC1.16 J3.10 | length 32.7
  Top Layer w0.254: D3.2 12.328,78.667 12.328,77.283 13.789,75.822 15.739,75.822 IC1.16
  Bottom Layer w0.254: v1(15.052,75.761) 15.052,82.697 19.2,86.845 29.231,86.845 29.38,86.994 29.38,91.028 J3.10
PA7: IC1.17 J3.9 | length 26.5
  Top Layer w0.254: v1(14.633,75.298) IC1.17@15.761,75.298
  Bottom Layer w0.254: v1(14.633,75.298) 14.633,83.84 18.184,87.391 25.646,87.391 27.026,88.77 27.026,90.842 J3.9
PA8: D10.1 D11.1 D12.1 IC1.29 J4.8 | length 128.3
  Top Layer w0.254: IC1.29 v1(19.25,71.302)
  Bottom Layer w0.254: v1(19.25,71.302) 19.25,67.567 20.676,66.142 22.77,66.142 J4.8
  Bottom Layer w0.508: J4.8 24.269,63.278 22.972,61.981 7.805,61.981 2.601,56.777 2.601,23.548 7.435,18.714 D10.1 D11.1 D12.1
PA9: D7.1 D8.1 D9.1 IC1.30 J4.9 | length 108
  Top Layer w0.254: v1(19.75,69.319) IC1.30
  Bottom Layer w0.254: v1(19.75,69.319) 19.75,68.665 21.803,66.611 24.84,66.611 J4.9
  Bottom Layer w0.508: J4.9 26.809,63.225 24.605,61.021 8.641,61.021 3.952,56.332 3.952,42.395 7.633,38.714 D7.1 D8.1 D9.1
PA10: D4.1 D5.1 D6.1 IC1.31 J4.10 | length 62.5
  Top Layer w0.254: IC1.31 v1(20.25,71.302)
  Bottom Layer w0.254: v1(20.25,71.302) 20.25,69.143 20.399,68.994 21.521,68.994 22.233,68.283 23.061,67.455 26.537,67.455 J4.10
  Bottom Layer w0.508: D4.1 35.277,58.715 ; J4.10 35.277,58.715 ; D6.1 D5.1 35.277,58.715
PA11: IC1.32 J4.11 R13.1 | length 67.8
  Top Layer w0.254: IC1.32 20.773,70.288 20.773,69.545 v1(20.836,69.482)
  Bottom Layer w0.254: v1(20.836,69.482) 21.841,69.482 23.36,67.963 28.569,67.963 J4.11 J4.11@31.889,64.504
  Bottom Layer w0.508: J4.11@31.889,64.504 34.597,61.796 56.454,61.796 57.721,63.063 57.721,77.267 55.9,79.088 49.766,79.088 48.347,77.668 R13.1
PA12: IC1.33 J4.12 R12.1 R14.1 | length 55.9
  Top Layer w0.254: IC1.33 v1(21.25,71.302)
  Bottom Layer w0.254: v1(21.25,71.302) 21.25,70.911 23.683,68.478 30.594,68.478 J4.12 ; R14.1 R14.1@48.362,72.456
  Bottom Layer w0.508: J4.12 36.291,62.781 55.837,62.781 56.54,63.485 56.54,65.712 51.196,71.056 48.918,71.056 48.347,71.628 R14.1 ; R14.1@48.362,72.456 R12.1
PA15: IC1.38 J4.13 | length 18.3
  Top Layer w0.254: v1(23.247,72.299) IC1.38
  Bottom Layer w0.254: v1(23.247,72.299) 24.451,71.095 31.166,71.095 36.692,65.568 36.692,64.92 J4.13
PB0: IC1.18 J3.8 | length 26
  Top Layer w0.254: v1(14.191,74.79) 15.753,74.79 IC1.18
  Bottom Layer w0.254: v1(14.191,74.79) 14.191,84.734 17.285,87.828 24.045,87.828 24.194,87.977 24.194,90.984 J3.8
PB1: IC1.19 J3.7 | length 24.9
  Top Layer w0.254: v1(13.515,74.358) 15.702,74.358 IC1.19
  Bottom Layer w0.254: v1(13.515,74.358) 13.515,85.54 16.716,88.74 21.029,88.74 21.729,89.44 J3.7
PB2: IC1.20 J3.6 | length 24.6
  Top Layer w0.254: v1(12.842,74.018) 12.991,73.87 15.691,73.87 IC1.20
  Bottom Layer w0.254: v1@12.779,74.018 12.779,86.591 15.672,89.484 18.857,89.484 19.189,89.816 J3.6
PB4: IC1.40 J4.15 | length 25.7
  Top Layer w0.254: v1(23.246,73.299) IC1.40
  Bottom Layer w0.254: v1(23.246,73.299) 23.439,73.299 26.259,76.119 30.573,76.119 J4.15
PB5: IC1.41 J4.16 | length 28.9
  Top Layer w0.254: v1(23.083,73.799) IC1.41
  Bottom Layer w0.254: v1(23.083,73.799) 25.263,75.979 25.263,75.999 25.946,76.683 31.184,76.683 42.095,65.771 cw(c42.049,64.643) 43.144,64.92 44.312,64.92 J4.16
PB6: IC1.42 J2.1 J4.17 | length 39.3
  Top Layer w0.254: v1(22.83,74.303) 24.231,74.303 24.237,74.298 IC1.42 25.218,74.299 25.756,73.762 25.756,71.501 J2.1
  Bottom Layer w0.254: v1(22.83,74.303) 22.961,74.303 25.88,77.221 31.318,77.221 33.736,74.803 33.736,74.8 41.219,67.318 45.756,67.318 47.129,65.944 J4.17
PB7: IC1.43 J1.1 J4.18 | length 39.6
  Top Layer w0.254: v1(22.596,74.813) 24.222,74.813 24.237,74.798 IC1.43 25.633,74.799 J1.1
  Bottom Layer w0.254: v1(22.596,74.813) 23.216,75.433 23.517,75.433 25.909,77.826 31.605,77.826 33.355,76.076 34.615,76.076 42.357,68.334 46.264,68.334 49.669,64.928 J4.18
PB8: IC1.45 J4.19 | length 36.7
  Top Layer w0.254: v1(23.214,75.839) 24.198,75.839 IC1.45
  Bottom Layer w0.254: v1(23.214,75.839) 23.348,75.839 25.848,78.339 31.834,78.339 33.691,76.482 37.983,76.482 44.811,69.654 47.198,69.654 J4.19
PB9: IC1.46 J4.20 | length 41.1
  Top Layer w0.254: v1(22.832,76.294) 24.197,76.294 24.215,76.276 IC1.46
  Bottom Layer w0.254: v1(22.832,76.294) 25.512,78.974 32.487,78.974 33.371,78.09 37.757,78.09 45.729,70.118 50.484,70.118 54.728,65.874 54.728,64.664 J4.20
PB10: IC1.21 J3.5 | length 23.8
  Top Layer w0.254: v1(14.549,73.309) 15.752,73.309 IC1.21
  Bottom Layer w0.254: v1(14.549,73.309) 12.423,73.309 11.577,74.155 11.577,86.497 13.271,88.191 13.279,88.191 15.781,90.694 15.892,90.694 16.258,91.059 J3.5
PB11: IC1.22 J3.4 | length 27.4
  Top Layer w0.254: IC1.22 v1(16.753,72.799)
  Bottom Layer w0.254: J3.4 13.744,91.059 10.152,87.467 10.152,73.373 10.726,72.799 v1(16.753,72.799)
PB12: IC1.25 J4.4 | length 9
  Top Layer w0.254: IC1.25 v1(17.25,71.302)
  Bottom Layer w0.254: J4.4 14.109,68.161 v1(17.25,71.302)
PB13: IC1.26 J4.5 KEY3.1 KEY6.1 KEY9.1 | length 83.9
  Top Layer w0.254: v1(17.75,69.319) IC1.26
  Top Layer w0.508: J4.5 16.649,62.02 18.016,60.653 40.077,60.653 KEY3.1 47.821,52.909 47.821,34.171 KEY6.1 47.866,32.864 47.866,14.216 KEY9.1
  Bottom Layer w0.254: J4.5 16.649,68.218 v1(17.75,69.319)
PB14: IC1.27 J4.6 KEY2.1 KEY5.1 KEY8.1 | length 99.3
  Top Layer w0.254: IC1.27 v1(18.25,71.302)
  Top Layer w0.508: J4.6 19.189,63.186 20.323,62.052 28.191,62.052 v3(28.255,62.116) ; KEY8.1 27.785,14.135 27.785,32.945 KEY5.1 27.785,34.135 27.785,52.945 KEY2.1
  Bottom Layer w0.254: v1(18.25,71.302) 18.25,65.582 J4.6
  Bottom Layer w0.508: KEY2.1 12.734,53.54 10.815,55.458 10.815,58.991 11.933,60.109 26.314,60.109 v3@28.12,61.915
PB15: IC1.28 J4.7 KEY1.1 KEY4.1 KEY7.1 | length 118.1
  Top Layer w0.254: v1(18.75,69.319) IC1.28
  Top Layer w0.508: KEY7.1 7.77,14.12 7.77,32.96 KEY4.1 7.884,34.234 7.884,52.846 KEY1.1
  Bottom Layer w0.254: v1(18.75,69.319) 18.75,67.153 20.878,65.025 20.956,65.025 21.338,64.643 J4.7 21.729,64.252 21.339,63.862 21.339,63.8
  Bottom Layer w0.508: KEY7.1 1.354,19.376 1.354,57.236 7.203,63.086 20.625,63.086 21.339,63.8
PC13: IC1.2 J3.19 | length 39.7
  Top Layer w0.254: IC1.2 22.276,78.761 v1(22.276,78.301)
  Bottom Layer w0.254: v1(22.276,78.301) 24.453,80.477 48.41,80.477 52.209,84.277 J3.19
PC14: C3.1 IC1.3 J3.18 Y1.2 | length 48.5
  Top Layer w0.254: v1(21.75,78.787) 21.75,80.294 24.028,82.573 28.052,82.573 Y1.2 ; C3.1 Y1.2@28.057,82.577
  Bottom Layer w0.254: v1(21.75,78.787) 24.291,81.328 48.106,81.328 49.533,82.755 49.533,90.923 J3.18
PC15: C4.1 IC1.4 J3.17 Y1.1 | length 46.5
  Top Layer w0.254: v1(21.252,79.223) 21.252,81.366 23.183,83.297 24.929,83.297 25.667,84.035 25.667,84.047 26.06,84.44 27.086,85.465 27.645,85.465 Y1.1
  Bottom Layer w0.254: v1(21.252,79.223) 24.115,82.085 46.302,82.085 47.129,82.913 J3.17
RESET: C5.2 IC1.7 R15.1 SW1.1 | length 17.6
  Top Layer w0.254: SW1.1 8.634,82.649 8.634,83.741 9.592,84.7 R15.1 12.477,84.669 C5.2 16.089,82.982 18.948,82.982 19.75,82.18 IC1.7
RST: C21.2 R10.1 U2.7 | length 6.7
  Top Layer w0.254: U2.7 41.75,82.579 R10.1 C21.2
SWCLK: IC1.37 R2.1 | length 15
  Top Layer w0.254: IC1.37 v1(25.229,71.799) ; v2(28.961,74.676) 28.961,77.033 30.769,78.842 v2(33.767,78.842)
  Bottom Layer w0.254: v1(25.229,71.799) 25.622,71.799 26.01,72.187 26.01,74.219 26.446,74.656 28.941,74.656 v2(28.961,74.676)
SWDIO: IC1.34 R5.1 | length 23.3
  Top Layer w0.254: IC1.34 21.75,66.845 22.301,66.294 27.965,66.294 28.829,67.158 28.829,73.57 30.799,75.54 v2(33.767,75.54)
SWO: IC1.39 J4.14 R3.1 | length 28.9
  Top Layer w0.152: v2(32.31,72.833) 34.414,74.937 34.414,76.528 v2(33.752,77.19)
  Top Layer w0.254: IC1.39 v1(25.229,72.799) ; v2(29.82,75.448) 31.562,77.19 v2(33.752,77.19)
  Bottom Layer w0.254: v1(25.229,72.799) 25.229,74.302 26.376,75.448 v2(29.82,75.448) ; v2@32.334,72.873 32.334,71.818 J4.14
USB_DN: R1.2 U2.32 | length 2.6
  Top Layer w0.254: R1.2@42.775,68.682 U2.32@42.775,70.877 ; R1.2@42.775,68.758 R1.2
USB_DP: R4.2 U2.33 | length 3
  Top Layer w0.254: U2.33 43.25,69.704 44.206,68.747 44.406,68.747 R4.2
VBAT: IC1.1 J3.20 | length 42
  Top Layer w0.254: v1(22.75,77.795) IC1.1
  Bottom Layer w0.254: v1(22.75,77.795) 24.482,79.527 48.956,79.527 54.932,85.503 54.932,90.876 J3.20
W1OUT: W1.2 W2.4 | length 16.1
  Top Layer w0.508: W2.4 39.41,33.9 39.733,34.223 39.77,34.223 42.59,37.043 W1.2
W2OUT: W2.2 W3.4 | length 16.1
  Top Layer w0.508: W3.4 39.733,13.923 39.733,14.285 42.59,17.142 W2.2
W3OUT: W3.2 W4.4 | length 22.9
  Top Layer w0.508: W4.4 22.913,8.077 22.913,7.765 25.332,5.346 39.921,5.346 39.921,5.431 42.59,8.1 W3.2
W4OUT: W4.2 W5.4 | length 16.1
  Top Layer w0.508: W4.2 19.41,13.9 22.588,17.078 22.588,28.398 W5.4
W5OUT: W5.2 W6.4 | length 16.2
  Top Layer w0.508: W5.2 19.41,33.9 22.649,37.139 22.649,48.341 W6.4
pads on no net: KEY1.0 KEY2.0 KEY3.0 KEY4.0 KEY5.0 KEY6.0 KEY7.0 KEY8.0 KEY9.0 SW1.3 SW1.4 U2.2 U2.3 U2.4 U2.5 U2.6 U2.11 U2.15 U2.16 U2.17 U2.18 U2.19 U2.20 U2.21 U2.22 U2.25 U2.26 U2.27 U2.28 U2.29 U2.34 U2.37 U2.38 U2.39 U2.40 U2.41 U2.42 U2.43 U2.45 U2.46 U*1.4 USB1.0 USB1.1 USB1.2 USB1.3 USB1.4 USB1.A8 USB1.B8 W6.2

## Polygon pours and split planes (outlines as drawn)
GND on Bottom Layer "GND_L02_P001" (hatched 90Degree grid 0.508 track 0.203, remove dead copper, pour order 1): -1.986,97.434 -2.758,96.662 -2.758,-2.111 73.576,-2.111 74.867,-0.82 73.061,0.986 73.061,97.95 -3.272,97.95 -4.821,99.499
GND on Top Layer "GND_L01_P000" (hatched 90Degree grid 0.508 track 0.203, remove dead copper, pour order 0): -1.986,97.434 -2.758,96.662 -2.758,-2.111 73.576,-2.111 74.867,-0.82 73.061,0.986 73.061,97.95 -3.272,97.95 -4.821,99.499

## Keep-outs
Keep-Out Layer:
  the board outline again, w0.254

## Silkscreen, mask and mechanical layers (free items; w line width, h text height)
Top Overlay:
  text "VBAT" at 54.305,95.821 h0.89 r270
  text "3.3" at 8.585,94.784 h0.89 r270
  text "B10" at 16.205,94.784 h0.89 r270
  text "C15" at 46.685,94.784 h0.89 r270
  text "C14" at 49.225,94.784 h0.89 r270
  text "C13" at 51.765,94.784 h0.89 r270
  text "B11" at 13.665,94.488 h0.89 r270
  text "B2" at 18.745,94.044 h0.89 r270
  text "B0" at 23.825,94.044 h0.89 r270
  text "A7" at 26.365,94.044 h0.89 r270
  text "A6" at 28.905,94.044 h0.89 r270
  text "A5" at 31.445,94.044 h0.89 r270
  text "A4" at 33.985,94.044 h0.89 r270
  text "A3" at 36.525,94.044 h0.89 r270
  text "A2" at 39.065,94.044 h0.89 r270
  text "A0" at 44.145,94.044 h0.89 r270
  text "B1" at 21.285,93.747 h0.89 r270
  text "A1" at 41.605,93.747 h0.89 r270
  text "G" at 6.045,93.155 h0.89 r270
  text "5" at 11.125,93.155 h0.89 r270
  text "OB_TX" at 33.128,68.622 h0.76
  text "OB_RX" at 33.187,67.052 h0.76
  text "GND" at 6.071,63.144 h0.89 r270
  text "3.3" at 8.611,63.144 h0.89 r270
  text "5" at 11.151,63.144 h0.89 r270
  text "B12" at 13.691,63.144 h0.89 r270
  text "B13" at 16.231,63.144 h0.89 r270
  text "B14" at 18.771,63.144 h0.89 r270
  text "B15" at 21.311,63.144 h0.89 r270
  text "A8" at 23.851,63.144 h0.89 r270
  text "A9" at 26.391,63.144 h0.89 r270
  text "A10" at 28.931,63.144 h0.89 r270
  text "A11" at 31.471,63.144 h0.89 r270
  text "A12" at 34.011,63.144 h0.89 r270
  text "A15" at 36.551,63.144 h0.89 r270
  text "B3" at 39.091,63.144 h0.89 r270
  text "B4" at 41.631,63.144 h0.89 r270
  text "B5" at 44.171,63.144 h0.89 r270
  text "B6" at 46.711,63.144 h0.89 r270
  text "B7" at 49.251,63.144 h0.89 r270
  text "B8" at 51.791,63.144 h0.89 r270
  text "B9" at 54.331,63.144 h0.89 r270
Bottom Overlay:
  text "https://github.com/geekchun/KeyBoard" at 31.331,4.558 h2
  text "JLCJLCJLC" at 59.088,2.997 h1
  text "By Geekchun" at 12.789,2.64 h2
  text "KeyBoard V1.0" at 31.283,2.64 h2
Mechanical 1:
  the board outline again, w0.254